# Altium PCB FINAL_PCB_VER1.PcbDoc (part 3 of 4) (continued)
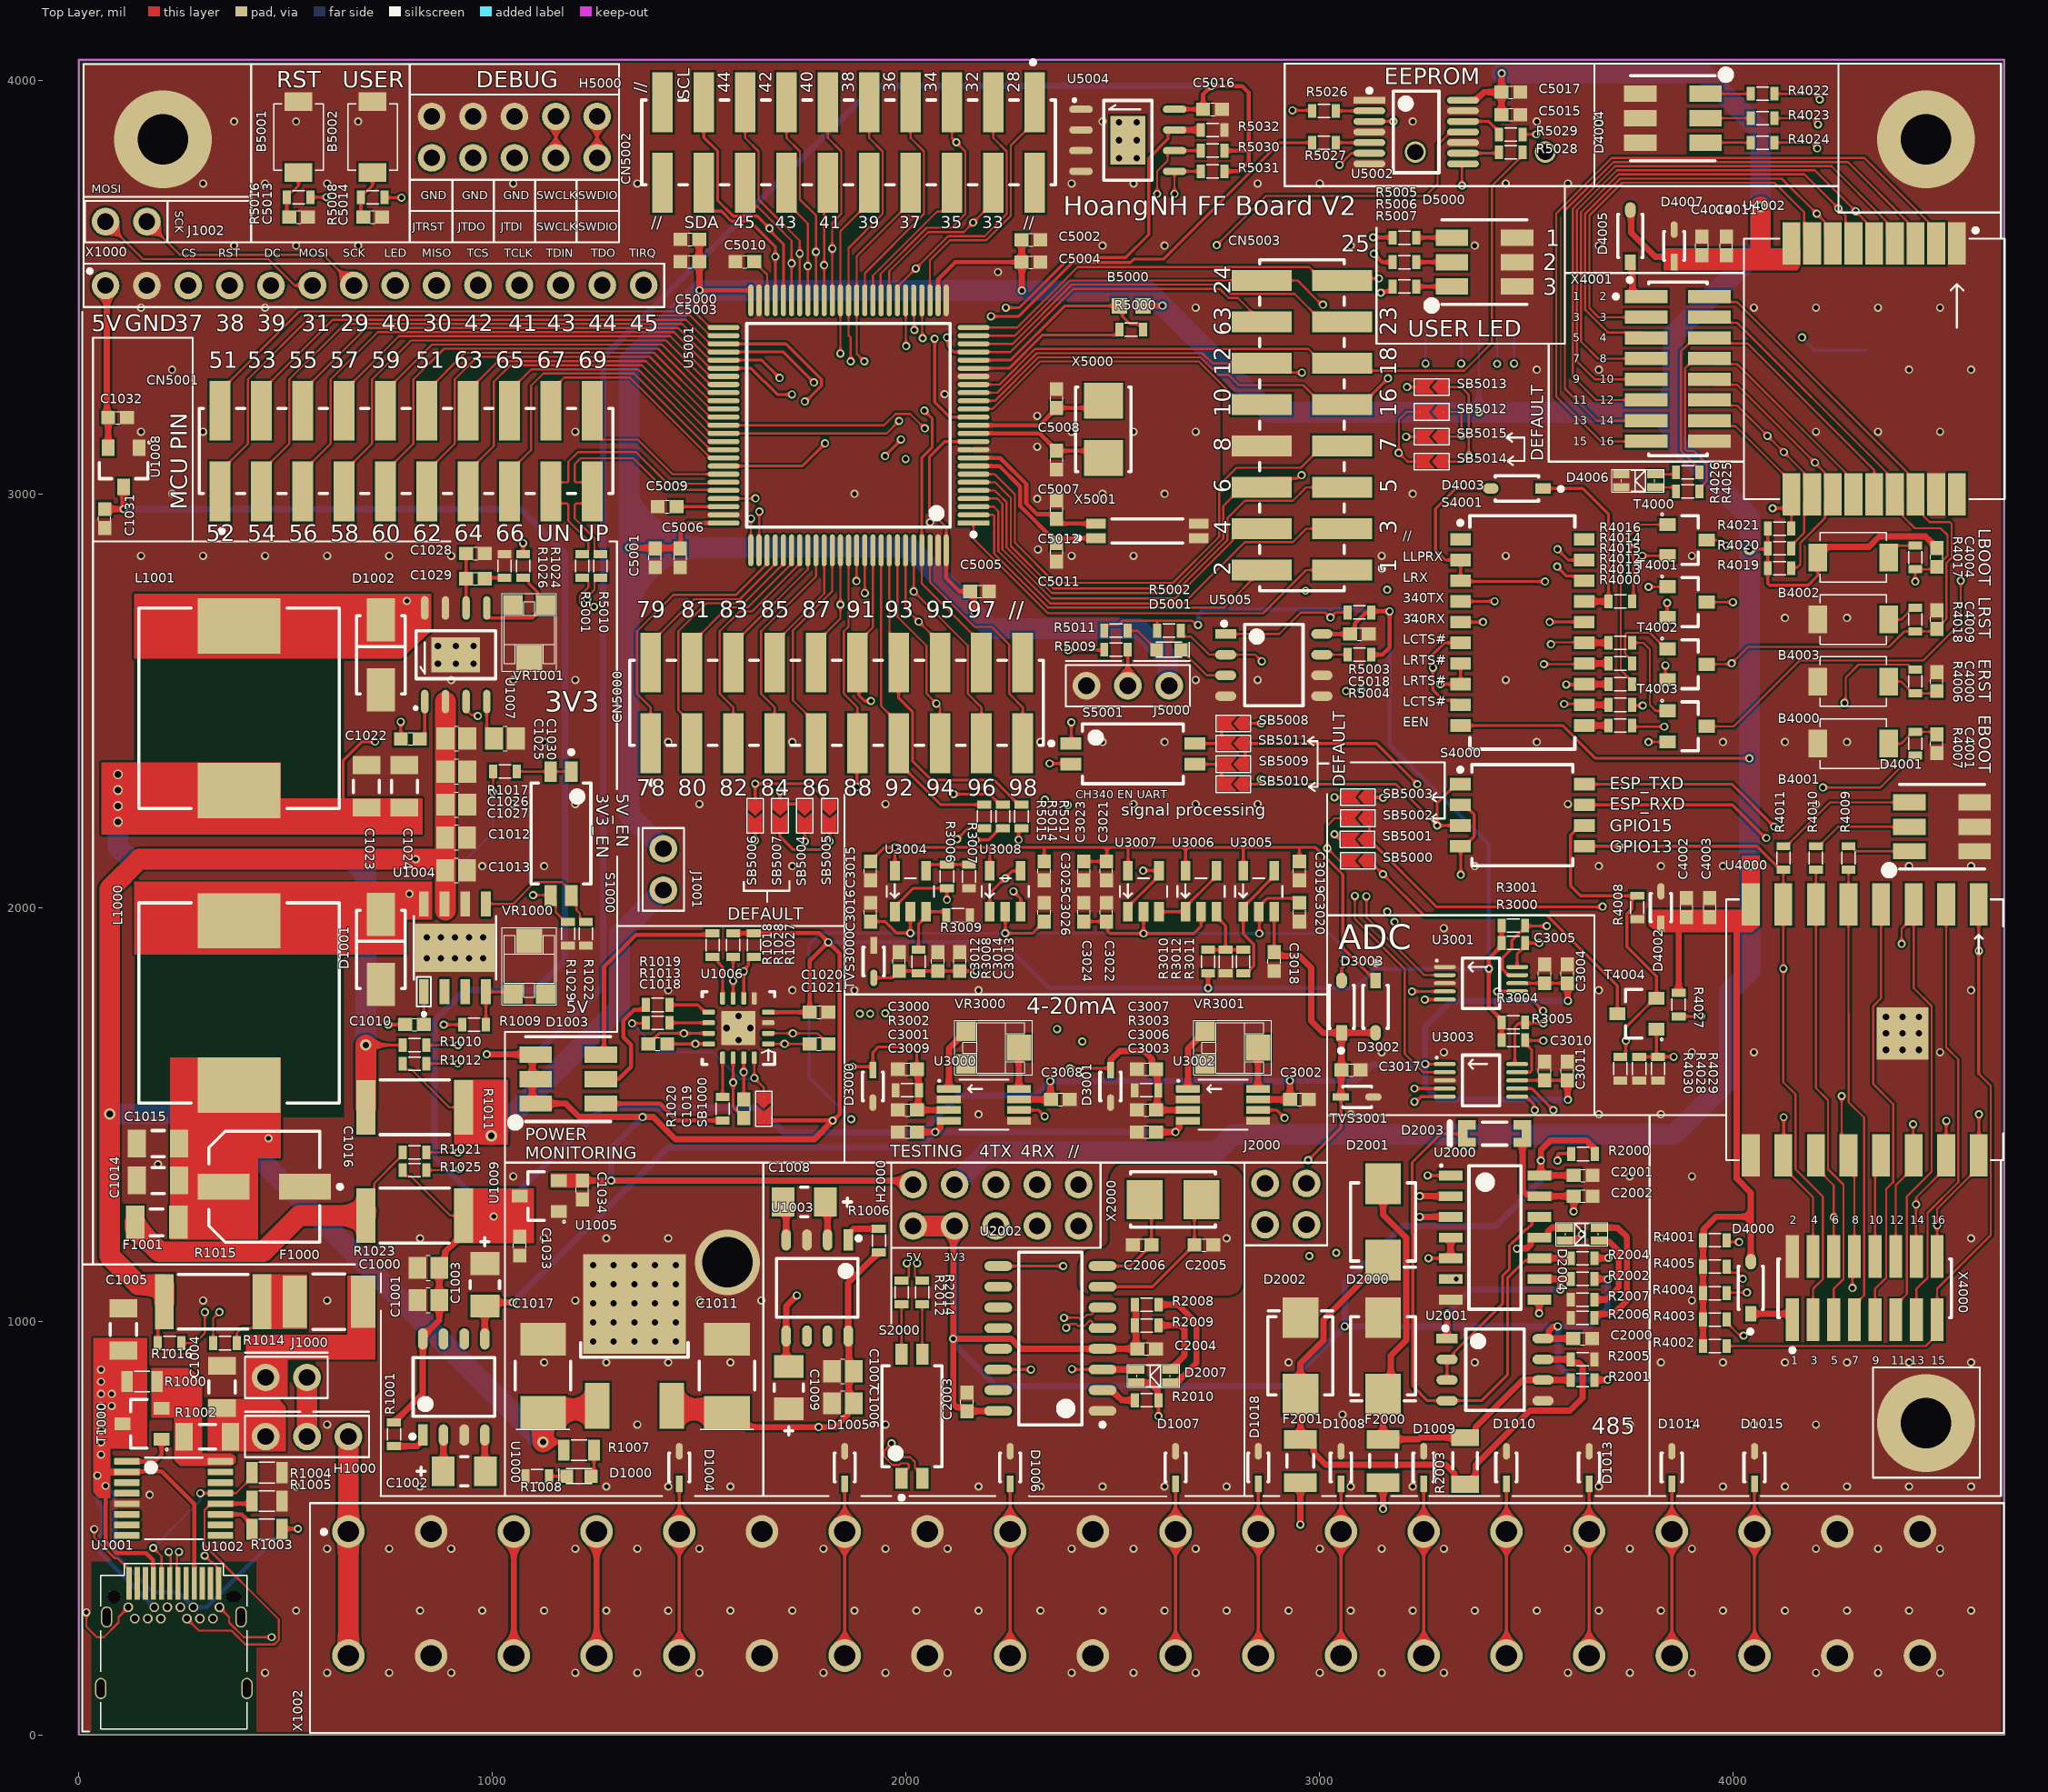
[diagram p0: Top Layer view]
## Nets (pads, with @x,y where several pads share a name; then routed paths per layer and width w, separated by ;. In a path a pad name is that pad's centre, name@x,y a point inside that pad or via, vN(x,y) a via of type N, cw(c..) or ccw(c..) an arc to the next point about the centre after c; other vN are vias at no path point) (continued)
  Top Layer w5: U5001.88@1860.81,2863.45 1860.83,2678.88 1849.5,2667.55 1849.5,2516.45 1882,2483.95 CN5000.11@1882,2397.12 ; T4002.3@3935.24,2587.89 3993.89,2587.89 v1(3996,2590) 4036.13,2630.13 4376.47,2630.13 4413.8,2667.46 R4018.1@4440,2667.46 4486.17,2667.46 C4009.1@4492,2673.28 4492,2674.19 4515.49,2697.68 4515.49,2832.63 4528,2845.14 4528,2927 4523.62,2931.38 4474.66,2931.38 4459.93,2946.11 4459.93,2979.55 U4002.16@4440.78,2998.7 4421.63,3017.85 4421.63,3051.29 4009.32,3463.6 3955.63,3463.6 X4001.2@3942.38,3476.85
  Top Layer w7: v1(1881,2291) 1881,2396.12 CN5000.11@1882,2397.12
  Mid Layer 2 w7: v1(1881,2291) 1882.34,2292.34 2905.34,2292.34 3401,2788 3426.51,2788 3467,2747.51 3467,2602 3548.34,2520.66 3926.66,2520.66 v1(3996,2590)
MCU91: CN5000.12 R5014.1 U5001.91 | length 840.4
  Top Layer w5: CN5000.12@1882,2592 1882,2639.44 1919.88,2677.33 U5001.91@1919.87,2863.45
  Top Layer w7: CN5000.12@1882,2592 1885.84,2588.16 1885.84,2513.16 1900,2499 v1(1915,2499) ; v1(2114.74,2274) 2201.97,2274 2214.12,2261.85 2214.12,2261.42 2227.05,2248.48 R5014.1@2233.94,2248.48
  Mid Layer 1 w7: v1(1915,2499) 1915,2473.74 v1(2114.74,2274)
MCU92: CN5000.13 R5015.1 U5001.92 | length 780.1
  Top Layer w5: U5001.92@1939.55,2863.45 1939.57,2486.99 1982,2444.56 CN5000.13@1982,2397.12
  Top Layer w7: CN5000.13@1982,2397.12 1982,2349.68 2083.2,2248.48 R5015.1@2188.89,2248.48
MCU93: CN5000.14 R5017.1 U5001.93 | length 840.1
  Top Layer w5: U5001.93@1959.25,2863.45 1959.25,2744.96 1959.5,2744.71 1959.5,2614.5 CN5000.14@1982,2592
  Top Layer w7: CN5000.14@1982,2592 1982,2506.58 2015.5,2473.08 2015.5,2354.16 2061.66,2308 2213.02,2308 2259.18,2261.85 2259.18,2261.42 2272.11,2248.48 R5017.1@2279,2248.48
MCU94: CN5000.15 R5009.2 U5001.94 | length 968.7
  Top Layer w5: U5001.94@1978.92,2863.45 1978.94,2703.11 2049.5,2632.55 2049.5,2516.45 v1(2073.28,2492.67) 2082,2483.95 CN5000.15@2082,2397.12
  Top Layer w7: v1(2392,2622) 2478,2622 R5009.2@2479,2623
  Mid Layer 1 w7: v1(2073.28,2492.67) 2202.61,2622 v1(2392,2622)
MCU95: CN5000.16 U3001.2 U5001.95 | length 2078.5
  Top Layer w5: U5001.95@1998.61,2863.45 1998.62,2722.82 v1(2030.54,2690.9) 2082,2639.44 CN5000.16@2082,2592 ; v1(3113,2027) 3113,1976 3252.62,1836.38 U3001.2@3302.4,1836.38
  Mid Layer 1 w5: v1(2030.54,2690.9) 2030.54,2491.46 2184,2338 2300,2338 v1(2391,2247)
  Mid Layer 2 w5: v1(2391,2247) 2512.22,2125.78 3014.22,2125.78 v1(3113,2027)
MCU96: CN5000.17 U3003.2 U5001.96 | length 2674.8
  Top Layer w5: U5001.96@2018.29,2863.45 v1(2018.31,2763.74) 2149.5,2632.55 2149.5,2516.45 2182,2483.95 CN5000.17@2182,2397.12 ; v1(3085,2028) 3085,1972 3206,1851 3206,1843 3205.66,1842.66 3205.66,1646.13 3250.16,1601.63 U3003.2@3302.4,1601.63
  Mid Layer 1 w5: v1(2018.31,2763.74) 1958,2703.43 1958,2530.58 2180.58,2308 2287.27,2308 v1(2335.13,2260.14)
  Mid Layer 2 w5: v1(2335.13,2260.14) 2567.27,2028 v1(3085,2028)
MCU97: CN5000.18 R5032.1 U5001.97 U5004.7 | length 1784.9
  Top Layer w5: U5001.97@2037.98,2863.45 2037.99,2783.45 2182,2639.44 CN5000.18@2182,2592
  Top Layer w7: U5001.97@2037.98,2863.46 2037.98,3087.95 2063.34,3113.31 2063.34,3181.66 v1(2044,3201) ; v1(2241,3450) 2274,3450 2395.13,3571.13 2531.01,3571.13 2586.5,3626.62 2586.5,3810.99 2633.08,3857.57 2633.08,3874.57 2638.03,3879.52 U5004.7@2649.26,3879.52
  Top Layer w15: U5004.7@2649.26,3879.52 R5032.1@2712.24,3879.52
  Mid Layer 1 w7: v1(2044,3201) 2044,3242.06 2225.59,3423.65 2225.59,3434.59 v1(2241,3450)
MCU98: CN5000.19 U5001.98 | length 583.3
  Top Layer w5: U5001.98@2057.66,2863.45 2057.68,2786.32 2166,2678 2207,2678 2249.5,2635.5 2249.5,2516.45 2282,2483.95 CN5000.19@2282,2397.12
NetB4000_2: B4000.2 C4000.2 R4006.1 | length 131.3
  Top Layer w5: B4000.2@4375.63,2546 4405.77,2546 4425.77,2526 4425.77,2524.79 4433.11,2517.45 R4006.1@4440,2517.45 4486.17,2517.45 C4000.2@4492,2523.28
NetB4001_1: B4001.1 C4001.1 R4007.2 | length 131.3
  Top Layer w5: B4001.1@4375.63,2396 4405.77,2396 4425.77,2416 4425.77,2417.2 4433.11,2424.55 R4007.2@4440,2424.55 4486.17,2424.55 C4001.1@4492,2418.72
NetB4002_1: B4002.1 R4017.2 | length 81.1
  Top Layer w5: B4002.1@4375.63,2846 4375.63,2854.41 4395.77,2874.55 R4017.2@4440,2874.55
NetB4003_1: B4003.1 R4018.2 | length 76.9
  Top Layer w5: B4003.1@4375.63,2696 4405.77,2696 4425.77,2716 4425.77,2717.2 4433.11,2724.54 R4018.2@4440,2724.54
NetB5000_2: B5000.2 R5000.1 U5001.21 | length 501.7
  Top Layer w7: U5001.21@2163,3323.11 2252.16,3323.11 2383.05,3454 B5000.2@2515.46,3454 2523,3446.45 2523,3428.9 2541.67,3410.23 2566.2,3410.23 2572.54,3403.89 R5000.1@2572.54,3397
NetB5001_1: B5001.1 C5013.1 R5016.1 | length 125.9
  Top Layer w7: C5013.1@508.28,3669 502.46,3674.83 R5016.1@502.46,3716.67 502.46,3723.56 508.8,3729.9 515.69,3729.9 531,3745.22 B5001.1@531,3776.61
NetB5002_1: B5002.1 C5014.1 R5008.2 | length 125.9
  Top Layer w7: C5014.1@687.28,3669 681.46,3674.83 R5008.2@681.46,3716.67 681.46,3723.56 687.8,3729.9 694.69,3729.9 710,3745.22 B5002.1@710,3776.61
NetC1002_1: C1002.1 U1000.4 | length 88.4
  Top Layer w15: U1000.4@981.41,724.65 981.41,638.77 C1002.1@983.18,637
NetC1002_2: C1002.2 U1000.2 | length 87.9
  Top Layer w15: C1002.2@880.82,637 881.41,637.59 U1000.2@881.41,724.65
NetC1008_1: C1008.1 U1003.4 | length 100
  Top Layer w15: C1008.1@1698.91,1291.57 C1008.1@1702.51,1288 1710.07,1280.44 U1003.4@1710.07,1196.14
NetC1008_2: C1008.2 U1003.2 | length 94
  Top Layer w15: C1008.2@1804.88,1288 1810.07,1282.81 U1003.2@1810.07,1196.14
NetC1010_1: C1010.1 D1001.2 L1000.1 U1004.8 | length 377.7
  Top Layer w7: v1(748.05,1716.78) C1010.1@788.6,1716.78
  Mid Layer 2 w7: v1(748.05,1716.78) 748.05,1981.78 v1(799.05,2032.78)
NetC1010_2: C1010.2 U1004.1 | length 79.3
  Top Layer w7: C1010.2@834.03,1716.78 U1004.1@834.03,1796.08
NetC1014_1: C1014.1 C1015.1 C1016.2 F1001.1 L1000.2 R1009.1 | length 692.5
  Top Layer w7: v1(882.05,1716.78) R1009.1@926.94,1716.78
  Mid Layer 2 w7: v1(458.05,1441.78) 794.41,1441.78 882.05,1529.43 v1(882.05,1716.78)
NetC1018_1: C1018.1 R1010.1 U1006.12 | length 752
  Top Layer w5: R1010.1@839.86,1667.43 916.26,1667.43 v1(916.49,1667.66)
  Top Layer w7: C1018.1@1422.29,1670.04 v1(1490.37,1670.04) U1006.12@1522.73,1670.04
  Mid Layer 1 w5: v1(916.49,1667.66) 917.68,1668.85 1489.18,1668.85 v1(1490.37,1670.04)
NetC1018_2: C1018.2 R1012.1 U1006.11 | length 870.1
  Top Layer w5: R1012.1@839.86,1622.43 916,1622.43 v1(916.23,1622.66)
  Top Layer w7: C1018.2@1376.86,1670.04 1377.77,1670.04 1396.9,1689.17 1396.9,1689.54 1402.98,1695.63 v1(1462.86,1695.63) U1006.11@1522.73,1695.63
  Mid Layer 1 w5: v1(916.23,1622.66) 916.23,1642.2 899.15,1659.28 899.15,1674.84 919.93,1695.63 1334.3,1695.63 1340.77,1689.15 1355.14,1689.15 1361.62,1695.63 v1(1462.86,1695.63)
NetC1019_1: C1019.1 R1014.1 U1006.15 | length 1704.4
  Top Layer w5: R1014.1@324.33,946.79 324.33,1006.7 v1(339.41,1021.79)
  Top Layer w7: C1019.1@1607.37,1536.14 v1(1607.37,1602.22) U1006.15@1607.37,1636.57
  Mid Layer 1 w5: v1(339.41,1021.79) 828.35,1510.73 1540.34,1510.73 1607.37,1577.77 v1(1607.37,1602.22)
NetC1019_2: C1019.2 R1016.1 U1006.14 | length 1781.3
  Top Layer w5: R1016.1@247.96,946.79 280.41,946.79 304.41,970.79 v1(304.41,1021.79)
  Top Layer w7: U1006.14@1581.78,1636.57 v1(1581.78,1576.7) 1581.78,1516.83 1587.87,1510.75 1588.24,1510.75 1607.37,1491.61 C1019.2@1607.37,1490.71
  Mid Layer 1 w5: v1(304.41,1021.79) 859.33,1576.7 v1(1581.78,1576.7)
NetC1021_1: C1021.1 R1021.1 U1006.2 | length 1196.2
  Top Layer w5: R1021.1@839.86,1407.66 v1(916.73,1407.66) ; U1006.2@1666.43,1695.63 v1(1726.11,1695.63) 1785.8,1695.63 1811.39,1670.04 C1021.1@1812.29,1670.04
  Mid Layer 1 w5: v1(916.73,1407.66) 1477.67,1407.66 1682.18,1612.16 1682.18,1670.52 1707.28,1695.63 v1(1726.11,1695.63)
NetC1021_2: C1021.2 R1025.1 U1006.1 | length 1124
  Top Layer w5: R1025.1@839.86,1364.79 899.9,1364.79 916.69,1364.8 v1(919.75,1367.85) ; U1006.1@1666.43,1670.04 v1(1706.22,1670.04) C1021.2@1766.86,1670.04
  Mid Layer 1 w5: v1(919.75,1367.85) 1184.67,1367.85 1187.86,1364.66 1448.82,1364.66 1706.22,1622.06 v1(1706.22,1670.04)
NetC1022_1: C1022.1 D1002.2 L1001.1 U1007.8 | length 339.3
  Top Layer w7: v1(778.05,2448.78) 778.05,2408.07 C1022.1@778.34,2407.78
  Mid Layer 2 w7: v1(778.05,2448.78) 778.05,2725.78 v1(793.05,2740.78)
NetC1022_2: C1022.2 U1007.1 | length 94.9
  Top Layer w7: C1022.2@823.77,2407.78 836.05,2420.07 U1007.1@836.05,2497.6
NetC1028_1: C1028.1 C1029.1 U1007.6 | length 131.8
  Top Layer w7: U1007.6@936.05,2723.97 C1029.1@936.05,2794.78 C1028.1@936.05,2855.78
NetC1029_2: C1029.2 R1026.2 | length 48.4
  Top Layer w7: C1029.2@981.48,2794.78 983.44,2796.74 R1026.2@1029.05,2796.74
NetC1030_1: C1030.1 U1007.4 | length 96.4
  Top Layer w7: U1007.4@986.05,2497.6 986.05,2426.07 C1030.1@1003.67,2408.45
NetC2000_1: C2000.1 C2001.1 C2003.2 C2004.1 H2000.2 H2000.4 R2000.2 R2001.2 R2002.2 R2008.2 R2009.2 U2000.14 U2001.8 U2002.4 U2002.16 | length 4700.2
  Top Layer w15: H2000.4@2117,1230 2114,1227 v3(2114,957.31) ; U2002.16@2222.75,783 2222.19,782.43 2147.51,782.43 C2003.2@2146.95,781.87 2146.95,782.77 2138.46,791.26 2122.79,791.26 2114,800.05 v3(2114,957.31) ; R2008.2@2553.4,1039.58 2555.74,1037.24 2555.74,935.8 2552.95,933 U2002.4@2474.72,933 2277.51,933 2268.72,941.79 2268.72,943.07 2254.48,957.31 v3(2114,957.31) ; U2001.8@3540.14,957.47 C2000.1@3613.28,957.47 ; U2001.8@3549.93,957.47 3553.77,961.31 3553.77,976.16 3564.01,986.39 ; C2001.1@3614.28,1352 U2000.14@3531.28,1352 3535,1355.72 3535,1413 3559,1437 3644,1437 3663.2,1417.8 3663.2,1406.34 R2000.2@3665.54,1404 ; R2001.2@3664.54,857.47 3665.07,858 v1(3696,858) ; R2002.2@3664.54,1102 3694.73,1102 3695.73,1101 v1(3697,1101)
  Top Layer w50: H2000.2@2017,1230 H2000.4@2117,1230
  Bottom Layer w15: v3@2116.16,957.31 2114.9,956.04 2114.9,955.15 2117,953.04 2117,944 2218,843 2916.42,843 v1(3060.71,987.29) ; v3@2117,957.31 H2000.4@2117,1230 ; v1(3535,1388.16) 3535,1339.36 3425.51,1229.87 3198.87,1229.87 3060.71,1091.71 v1(3060.71,987.29) ; v1(3696,858) 3695.1,858.9 3612.1,858.9 3576.55,894.45 3576.55,986.39 v1(3575.66,987.29) ; v1(3697,1101) 3696.1,1100.1 3696.1,1031.1 3652.29,987.29 v1(3575.66,987.29) ; v1(3060.71,987.29) v1(3575.66,987.29)
NetC2002_1: C2002.1 D2003.1 R2004.2 U2000.13 | length 492.2
  Top Layer w15: D2003.1@3499.77,1453 3499.77,1432.33 3494.55,1432.33 3490.24,1428.02 3490.24,1315.1 3499.03,1306.31 3526.97,1306.31 U2000.13@3531.28,1302 C2002.1@3614.28,1302 3614.28,1265.28 v1(3614,1265) ; R2004.2@3664.54,1152 3695.73,1152 3696.73,1153 v1(3698,1153)
  Mid Layer 1 w15: v1(3614,1265) 3698,1181 v1(3698,1153)
NetC2005_1: C2005.1 U2002.7 X2000.1 | length 381.3
  Top Layer w7: U2002.7@2474.72,1083 2595.24,1083 2696.24,1184 C2005.1@2697.15,1184 2697.15,1276.95 X2000.1@2714.2,1294
NetC2006_1: C2006.1 U2002.8 X2000.2 | length 257.1
  Top Layer w7: U2002.8@2474.72,1133 2541.92,1133 2580.06,1171.14 2580.06,1171.51 2592.55,1184 C2006.1@2593.45,1184 2593.45,1276.95 X2000.2@2576.4,1294
NetC5009_1: C5009.1 U5001.73 | length 113.9
  Top Layer w7: C5009.1@1444.72,2968.78 U5001.73@1558.63,2968.78
NetC5010_1: C5010.1 U5001.48 | length 106.7
  Top Layer w5: C5010.1@1632.72,3561 1633.62,3561 1647.11,3547.51 1647.11,3546.61 1663.96,3529.75 U5001.48@1663.96,3467.81
NetD1000_1: D1000.1 R1007.2 | length 65.9
  Top Layer w7: D1000.1@1238.53,625 1245.42,631.89 R1007.2@1245.42,688
NetD1000_2: D1000.2 R1008.1 | length 42.9
  Top Layer w7: R1008.1@1136.54,625 D1000.2@1179.47,625
NetD1003_2: D1003.2 R1020.2 | length 311.5
  Top Layer w10: D1003.2@1261.74,1525.94 1405.2,1525.94 1446.27,1484.88 R1020.2@1556.19,1484.88
NetD1003_4: D1003.4 R1019.2 | length 279.6
  Top Layer w10: D1003.4@1261.74,1585 1305.05,1585 1334.73,1614.69 1334.73,1667.88 1316.18,1686.43 1316.18,1726.83 1342.04,1752.69 1366.19,1752.69 1371.03,1757.53 R1019.2@1371.03,1764.42
NetD1003_6: D1003.6 R1018.2 | length 508.4
  Top Layer w10: D1003.6@1269.61,1644.06 1269.61,1856.61 1347.18,1934.18 1528.19,1934.18 R1018.2@1531.8,1937.79
NetD2000_2: D2000.2 D2001.1 F2000.2 R2001.1 R2003.2 U2001.6 | length 1185.1
  Top Layer w15: D2001.1@3153.31,1332.2 3153.31,1257.36 3209.12,1201.55 3209.12,954.13 3172,917.01 3172,842.17 D2000.2@3153.31,823.48 F2000.2@3153.31,714.29 3239.26,714.29 3243.07,718.1 R2003.2@3351.41,718.1 3364.21,718.1 3377.38,731.27 3377.38,744.07 3490.78,857.47 U2001.6@3540.14,857.47 R2001.1@3607.46,857.47
NetD2001_2: D2001.2 D2002.1 F2001.2 R2003.1 R2005.2 U2001.7 | length 1552.8
  Top Layer w15: D2001.2@3153.31,1147.16 3153.31,1141.25 3117.51,1105.45 3111.6,1105.45 3009.12,1002.97 3009.12,954.13 2953.31,898.32 D2002.1@2953.31,823.48 F2001.2@2953.31,714.29 2970.47,714.29 2985.47,699.29 2985.47,682.13 3014.74,652.86 3304.45,652.86 3325.45,631.86 3325.45,619.07 3338.62,605.9 R2003.1@3351.41,605.9 3364.21,605.9 3377.38,619.07 3377.38,652.41 3508.29,783.32 3605.32,783.32 3636,814 3636,890.05 3627.21,898.84 3609.8,898.84 3607.46,901.18 R2005.2@3607.46,907.47 U2001.7@3540.14,907.47
NetD2003_2: D2003.2 R2004.1 U2000.10 U2001.4 | length 1369.4
  Top Layer w7: D2003.2@3346.23,1453 3293,1453 3223.55,1383.55 3223.55,1209.74 3225.12,1208.18 3225.12,843.13 3260.77,807.47 U2001.4@3307.86,807.47 3391.47,807.47 3454,870 3454,1104 3496.34,1146.34 3525.63,1146.34 U2000.10@3531.28,1152
  Top Layer w15: U2000.10@3531.28,1152 R2004.1@3607.46,1152
NetD2004_1: D2004.1 R2007.2 | length 216
  Top Layer w15: R2007.2@3664.54,1052 3693,1052 3723,1082 3723,1169 3700.09,1191.91 3677.68,1191.91 D2004.1@3675.34,1194.25
NetD2004_3: D2004.3 R2006.2 | length 330
  Top Layer w15: R2006.2@3664.54,1008 3664.54,1014.89 3666.89,1017.23 3710.23,1017.23 3743,1050 3743,1203 3720.25,1225.75 D2004.3@3675.34,1225.75
NetD2004_4: D2004.4 U2000.2 U2000.11 | length 512.9
  Top Layer w15: v1(3241.9,1302.09) 3241.99,1302 U2000.2@3316.72,1302 ; v1(3477,1175) 3478.27,1175 3479.58,1176.31 3501.45,1176.31 3510.24,1185.1 3510.24,1197.69 3514.55,1202 3548.02,1202 3552.33,1206.31 3552.33,1216.96 3561.11,1225.75 D2004.4@3592.66,1225.75
  Mid Layer 1 w15: v1(3241.9,1302.09) 3368.99,1175 v1(3477,1175)
NetD2007_2: D2007.2 R2009.1 | length 177.8
  Top Layer w15: R2009.1@2610.49,989.58 2664.16,989.58 2672.95,980.8 2672.95,916.65 D2007.2@2639.29,883
NetD2007_4: D2007.4 R2008.1 | length 288.9
  Top Layer w15: R2008.1@2610.49,1039.58 2657.95,1039.58 2701.95,995.58 2701.95,898.45 2657.35,853.85 2641.64,853.85 D2007.4@2639.29,851.5
NetD4000_2: D4000.2 X4000.1 | length 110.3
  Top Layer w15: D4000.2@4042.41,1017.73 4134.75,1017.73 4143,1009.49 X4000.1@4143,1003.17
NetD4001_1: D4001.1 R4009.1 | length 145.7
  Top Layer w5: R4009.1@4278.63,2148 4285.52,2148 4292.86,2140.66 4292.86,2138.87 4295.79,2135.94 D4001.1@4418.3,2135.94
NetD4001_3: D4001.3 R4010.1 | length 245.7
  Top Layer w5: R4010.1@4199.89,2148 4206.78,2148 4253.78,2195 D4001.3@4426.17,2195
NetD4001_5: D4001.5 R4011.1 | length 348.9
  Top Layer w5: R4011.1@4121.15,2148 4128.04,2148 4234.1,2254.06 D4001.5@4426.17,2254.06
NetD4003_2: D4003.2 R4016.1 S4001.17 | length 454.3
  Top Layer w7: D4003.2@3539.91,3013 3636,3013 3698.46,2950.54 R4016.1@3698.46,2739.76
  Top Layer w15: S4001.17@3639.41,2739.76 R4016.1@3698.46,2739.76
NetD4004_1: D4004.1 R4022.1 | length 109.7
  Top Layer w5: D4004.1@3932.74,3967.06 R4022.1@4042.46,3967.06
NetD4004_3: D4004.3 R4023.1 | length 109.7
  Top Layer w5: D4004.3@3932.74,3908 R4023.1@4042.46,3908
NetD4004_5: D4004.5 R4024.1 | length 109.7
  Top Layer w5: D4004.5@3932.74,3848.94 R4024.1@4042.46,3848.94
NetD4005_2: D4005.2 X4001.1 | length 110.2
  Top Layer w15: D4005.2@3751.09,3559.99 3756.63,3548.65 3756.63,3485.1 X4001.1@3789.62,3476.85
NetD4006_2: D4006.2 R4025.2 | length 52.1
  Top Layer w5: D4006.2@3811.34,3047.12 3856.58,3047.12 R4025.2@3861.46,3052
NetD4006_4: D4006.4 R4026.2 | length 55.4
  Top Layer w5: D4006.4@3811.34,3015.63 3854.11,3015.63 3861.46,3008.29 R4026.2@3861.46,3006
NetD5001_1: D5001.1 R5011.2 | length 88.9
  Top Layer w5: R5011.2@2536.09,2669 2559.91,2669 D5001.1@2605.91,2623
NetD5001_2: D5001.2 U5005.3 | length 133.6
  Top Layer w5: D5001.2@2664.97,2623 2726.97,2561 U5005.3@2772.86,2561
NetF1000_1: F1000.1 J1000.1
NetH1000_2: H1000.2 J1000.2 | length 127.6
  Top Layer w50: H1000.2@551.41,736.23 J1000.2@551.41,863.79
NetJ1001_1: J1001.1 R1011.1 R1012.2 | length 961.3
  Top Layer w5: R1012.2@782.77,1622.43 782.77,1615.54 790.11,1608.2 804.2,1608.2 895.61,1516.79 R1011.1@930,1516.79
  Bottom Layer w50: v5(997,1448) 1307.11,1758.11 1307.11,1936.11 J1001.1@1413,2042
NetJ2000_1: J2000.1 SB5004.2 SB5006.2 | length 1866.1
  Top Layer w7: v1(1635,2162) 1635,2193.11 SB5006.2@1635.09,2193.2 ; v1(1755,2160) SB5004.2@1755.03,2193.2
  Mid Layer 1 w7: v1(1635,2162) 1636,2161 1754,2161 v1(1755,2160) 1755,2031.8 2386.8,1400 2767.92,1400 2811.68,1356.24 2811.68,1329.97 2850.62,1291.04 2885.38,1291.04 2924.04,1329.69 2964.69,1329.69 J2000.1@2968,1333
NetJ2000_3: J2000.3 SB5005.2 SB5007.2 | length 1692.2
  Top Layer w7: SB5007.2@1695.06,2193.2 1695.06,2170.94 1726,2140 1795,2140 v1(1815,2160) SB5005.2@1815,2193.2
  Mid Layer 1 w7: v1(1815,2160) 1815,1989.06 2376.06,1428 2773,1428 J2000.3@2868,1333
NetJ5000_2: J5000.2 R5009.1 | length 87
  Top Layer w7: J5000.2@2536.09,2536 R5009.1@2536.09,2623
NetR1000_2: R1000.2 R1002.1 T1000.2 U1002.16
NetR1001_1: R1001.1 U1000.1 | length 89.4
  Top Layer w15: R1001.1@761.41,697.64 818.42,697.64 831.41,710.63 U1000.1@831.41,724.65
NetR1003_1: R1003.1 U1002.11 | length 97.9
  Top Layer w10: U1002.11@342,532.84 393.76,532.84 418,508.6 R1003.1@418,496.79
NetR1004_2: R1004.2 U1001.A5 U1002.13 | length 425.8
  Top Layer w5: v1(179.41,451.79) 199.89,431.32 U1001.A5@199.89,365.73 ; v1(293.41,583.79) 293.53,583.9 341.88,583.9 U1002.13@342,584.02 380.07,584.02 406.42,610.36 406.72,610.36 418,621.64 R1004.2@418,633.45
  Bottom Layer w5: v1(179.41,451.79) 293.41,565.79 v1(293.41,583.79)
NetR1005_2: R1005.2 U1001.B5 U1002.12 | length 764.5
  Top Layer w5: U1001.B5@260.91,280.69 290.06,251.53 368.86,251.53 401.9,218.49 473.08,218.49 483.23,228.65 483.23,278.52 303.59,458.17 303.59,542.86 319.16,558.43 U1002.12@342,558.43
  Top Layer w10: U1002.12@342,558.43 411.3,558.43 R1005.2@418,565.12
NetR1006_1: R1006.1 U1003.1 | length 93.4
  Top Layer w15: U1003.1@1860.07,1196.14 1860.07,1210.16 1873.06,1223.15 R1006.1@1934.07,1223.15
NetR1009_2: R1009.2 U1004.4 VR1000.1 | length 147
  Top Layer w7: R1009.2@984.03,1716.78 U1004.4@984.03,1796.08 1044.76,1796.07 VR1000.1@1049.68,1791.15
NetR1013_1: R1013.1 U1006.10 | length 94.6
  Top Layer w7: R1013.1@1428.12,1721.22 U1006.10@1522.73,1721.22
NetR1017_1: R1017.1 S1000.1 S1000.2 | length 131.8
  Top Layer w5: R1017.1@1058.6,2328.49 S1000.2@1140.41,2328.49 S1000.1@1190.41,2328.49
NetR1018_1: R1018.1 U1006.8 | length 114.6
  Top Layer w7: R1018.1@1531.8,1880.71 1538.69,1880.71 1545.04,1874.36 1545.04,1867.47 1556.19,1856.32 U1006.8@1556.19,1780.27
NetR1019_1: R1019.1 U1006.9 | length 101.9
  Top Layer w7: R1019.1@1428.12,1764.42 1496.26,1764.42 U1006.9@1513.87,1746.81
  Top Layer w10: U1006.9@1513.87,1746.81 U1006.9@1522.73,1746.81
NetR1020_1: R1020.1 U1006.13 | length 94.6
  Top Layer w7: R1020.1@1556.19,1541.97 U1006.13@1556.19,1636.57
NetR1022_2: R1022.2 S1000.4 U1004.5 | length 329.1
  Top Layer w5: U1004.5@984.03,2008.67 1049.75,2008.67 1102.07,2060.99 1167.95,2060.99 1190.41,2038.52 S1000.4@1190.41,2028.48 1202.87,2016.02 1202.87,1993.55 1211.32,1985.11 1211.32,1972.67 1218.66,1965.33 R1022.2@1225.55,1965.33
NetR1024_2: R1024.2 U1007.5 VR1001.1 | length 267.1
  Top Layer w7: U1007.5@986.05,2723.97 986.05,2707.19 993.59,2699.65 1096.3,2699.65 VR1001.1@1128.42,2731.78 1108.3,2751.9 1108.3,2762.49 1087.28,2783.51 1087.28,2790.4 1080.94,2796.74 R1024.2@1074.05,2796.74
NetR1029_2: R1029.2 S1000.3 U1007.3 | length 671.8
  Top Layer w5: U1007.3@936.05,2497.6 936.05,2477.91 948.37,2465.6 961.6,2465.6 v1(964.41,2462.79) ; v1(1097.66,2029.79) 1139.11,2029.79 S1000.3@1140.41,2028.48 1152.87,2016.02 1152.87,1987.98 1175.52,1965.33 R1029.2@1182.41,1965.33
  Mid Layer 2 w5: v1(964.41,2462.79) 1099.41,2327.79 1099.41,2031.54 v1(1097.66,2029.79)
NetR2002_1: R2002.1 U2000.9 U2001.1 | length 461.3
  Top Layer w15: U2001.1@3307.86,957.47 v1(3307.86,1018.39) ; U2000.9@3531.28,1102 3582.4,1102 ; v1(3582,1076) 3582,1101.6 3582.4,1102 ; R2002.1@3607.46,1102 3582.4,1102
  Bottom Layer w15: v1(3307.86,1018.39) 3365.47,1076 v1(3582,1076)
NetR2010_2: R2010.2 U2002.2 | length 88.8
  Top Layer w15: U2002.2@2474.72,833 2496.38,833 2520.79,808.58 R2010.2@2553.4,808.58
NetR2012_1: R2012.1 S2000.4 | length 120.5
  Top Layer w5: S2000.4@1989,920 R2012.1@1989,1040.46
NetR2014_1: R2014.1 S2000.3 | length 120.5
  Top Layer w5: S2000.3@2039,920 R2014.1@2039,1040.46
NetR3006_1: R3006.1 R3007.2 U3004.4 | length 114.7
  Top Layer w7: U3004.4@2047.73,2088.39 2047.73,2095.65 2055.85,2103.77 R3006.1@2098.78,2103.77 R3007.2@2151.78,2103.77
NetR3006_2: R3006.2 U3004.1 U3008.3 | length 410.6
  Top Layer w7: U3004.1@1972.93,1989.57 1972.93,2001.77 2017.83,2046.68 R3006.2@2098.78,2046.68 v1(2098.78,2018.57) ; v1(2259.46,2038.98) 2277.18,2021.26 U3008.3@2277.18,1989.57
  Mid Layer 1 w7: v1(2098.78,2018.57) 2239.05,2018.57 v1(2259.46,2038.98)
NetR3008_2: R3008.2 R3009.2 U3004.3 | length 153.4
  Top Layer w7: R3008.2@2029.78,1897.54 2029.78,1959.41 2047.73,1977.36 U3004.3@2047.73,1989.57 2090.39,1989.57 2096.73,1983.22 R3009.2@2096.73,1980.92
NetR3010_2: R3010.2 R3011.2 R3012.2 U3006.3 | length 186.3
  Top Layer w7: R3010.2@2730,1897.54 R3012.2@2772.6,1897.54 ; U3006.3@2750.7,1989.57 2750.7,1977.36 2772.6,1955.47 R3012.2@2772.6,1897.54 ; R3011.2@2815.2,1897.54 R3012.2@2772.6,1897.54
NetR3011_1: R3011.1 U3005.1 U3005.4 | length 304.1
  Top Layer w7: R3011.1@2815.2,1840.46 2822.09,1840.46 2840.43,1858.8 2840.43,1910.91 2815.2,1936.14 U3005.1@2815.2,1989.57 2815.2,2001.77 2823.31,2009.89 2823.7,2009.89 2890,2076.18 U3005.4@2890,2088.39
NetR4012_1: R4012.1 S4001.13 T4001.2 | length 464.1
  Top Layer w7: v1(3596,2539) 3638.65,2539 S4001.13@3639.41,2539.76 ; v1(3840,2736) 3840,2701.35 T4001.2@3840.76,2700.59
  Top Layer w15: S4001.13@3639.41,2539.76 R4012.1@3698.46,2539.76
  Mid Layer 2 w7: v1(3596,2539) 3793,2736 v1(3840,2736)
NetR4012_2: R4012.2 T4000.1 | length 481.9
  Top Layer w5: R4012.2@3755.54,2539.76 3755.54,2546.65 3728.2,2573.99 3728.2,2878.2 3775.5,2925.5 T4000.1@3840.76,2925.5
NetR4013_1: R4013.1 S4001.12 T4000.2 | length 675
  Top Layer w5: v1(3591,2492) 3637.17,2492 S4001.12@3639.41,2489.76 R4013.1@3698.46,2489.76 ; v1(3780,2850) 3840.06,2850 T4000.2@3840.76,2850.7
  Top Layer w15: S4001.12@3639.41,2489.76 R4013.1@3698.46,2489.76
  Mid Layer 1 w5: v1(3591,2492) 3578.66,2504.34 3578.66,2648.66 v1(3780,2850)
NetR4013_2: R4013.2 T4001.1 | length 386.4
  Top Layer w5: R4013.2@3755.54,2489.76 3757.3,2488 v1(3781,2488) ; v1(3795,2775) 3840.36,2775 T4001.1@3840.76,2775.4
  Mid Layer 1 w5: v1(3781,2488) 3755,2514 3755,2735 v1(3795,2775)
NetR4014_1: R4014.1 S4001.14 T4003.2 | length 606
  Top Layer w5: v1(3542,2588) 3637.65,2588 S4001.14@3639.41,2589.76 ; v1(3795,2400) 3840.37,2400 T4003.2@3840.76,2400.39
  Top Layer w15: S4001.14@3639.41,2589.76 R4014.1@3698.46,2589.76
  Mid Layer 1 w5: v1(3542,2588) 3542,2465 3607,2400 v1(3795,2400)
NetR4014_2: R4014.2 T4002.1 | length 197.4
  Top Layer w5: R4014.2@3755.54,2589.76 3755.54,2596.65 3738.2,2613.99 3738.2,2659.59 3742.59,2663.99 3798.12,2663.99 3836.82,2625.29 T4002.1@3840.76,2625.29
NetR4015_1: R4015.1 S4001.15 T4002.2 | length 784.6
  Top Layer w5: v1(3559,2636) 3562.97,2636 3567.97,2641 3638.17,2641 S4001.15@3639.41,2639.76 ; v1(3836,2585) 3836,2555.25 T4002.2@3840.76,2550.49
  Top Layer w15: S4001.15@3639.41,2639.76 R4015.1@3698.46,2639.76
  Mid Layer 1 w5: v1(3559,2636) 3560,2635 3560,2471 3619,2412 3780,2412 3836,2468 v1(3836,2585)
NetR4015_2: R4015.2 T4003.1 | length 231.9
  Top Layer w5: R4015.2@3755.54,2639.76 3782.24,2639.76 3798.34,2623.66 3798.34,2489.66 3812.81,2475.19 T4003.1@3840.76,2475.19
NetR5000_2: R5000.2 U5001.20 | length 395.3
  Top Layer w7: U5001.20@2163,3303.42 2249.44,3303.43 2329.79,3383.77 2509.11,3383.77 2515.46,3390.11 R5000.2@2515.46,3397
NetR5004_1: R5004.1 U5005.7 | length 62.3
  Top Layer w5: U5005.7@3005.14,2611 R5004.1@3067.46,2611
NetR5026_2: R5026.2 U5002.2 | length 81.3
  Top Layer w7: R5026.2@3038.87,3925.72 U5002.2@3120.12,3925.72
NetR5027_2: R5027.2 U5002.5 | length 81.3
  Top Layer w7: R5027.2@3038.87,3848.94 U5002.5@3120.12,3848.94
NetR5028_2: R5028.2 U5002.9 | length 88.2
  Top Layer w7: U5002.9@3346.53,3823.35 3431.6,3823.35 R5028.2@3433.78,3825.53
NetR5029_1: R5029.1 U5003.7 | length 936.1
  Top Layer w5: R5029.1@3490.87,3868.53 3491.33,3869 v1(3524,3869)
  Mid Layer 1 w5: v1(3256,3315) 3317.47,3315 3335.82,3296.66 3476.18,3296.66 3498.69,3319.16 3498.69,3843.69 v1(3524,3869)
  Bottom Layer w5: U5003.7@3253.98,3397 3256,3394.98 v1(3256,3315)
NetR5029_2: R5029.2 U5002.12 | length 104.4
  Top Layer w7: U5002.12@3346.53,3900.12 3409.08,3900.12 3433.78,3875.42 R5029.2@3433.78,3868.53
NetS5001_3: S5001.3 SB5009.2 SB5010.2 | length 113.1
  Top Layer w7: S5001.3@2698,2346.33 SB5009.2@2762.81,2346.33 SB5010.2@2762.81,2298
NetS5001_4: S5001.4 SB5008.2 SB5011.2 | length 113.5
  Top Layer w7: S5001.4@2698,2396.33 SB5011.2@2762.81,2396.33 SB5008.2@2762.81,2445
NetSB5000_1: SB5000.1 SB5003.1 T4004.3 | length 1010.5
  Top Layer w7: SB5000.1@3120.54,2113 v1(3153.05,2080.49) 3252.31,1981.23 3549.05,1981.23 3719.7,1810.58 T4004.3@3719.7,1743 ; SB5003.1@3120.75,2266.75 3121.5,2266 3153.05,2266 v1(3153.53,2265.53)
  Mid Layer 1 w7: v1(3153.05,2080.49) 3153.53,2080.96 v1(3153.53,2265.53)
NetT1000_1: T1000.1 U1002.1 | length 127.3
  Top Layer w10: U1002.1@116.42,660.79 183.42,660.79 199.69,677.06 T1000.1@199.69,714.39
NetU2000_3: U2000.3 U2000.8 | length 591.9
  Top Layer w15: v1(3241.9,1252.21) 3242.11,1252 U2000.3@3316.72,1252 ; v1(3530.66,1018.93) 3530.66,1051.37 U2000.8@3531.28,1052
  Mid Layer 1 w15: v1(3241.9,1252.21) 3241.9,1250.94 3238.66,1247.7 3238.66,1093.75 3251.75,1080.66 3320,1080.66 3321,1079.66 3339.51,1079.66 3340.51,1080.66 3468.93,1080.66 v1(3530.66,1018.93)